# KiCad board Plume.kicad_pcb
title: ${BOARD_NAME} ${DOC_TYPE} Document; date: 2025-06-04; rev: 1.1; company: ${COMPANY}; note: L8 - Page 13/13
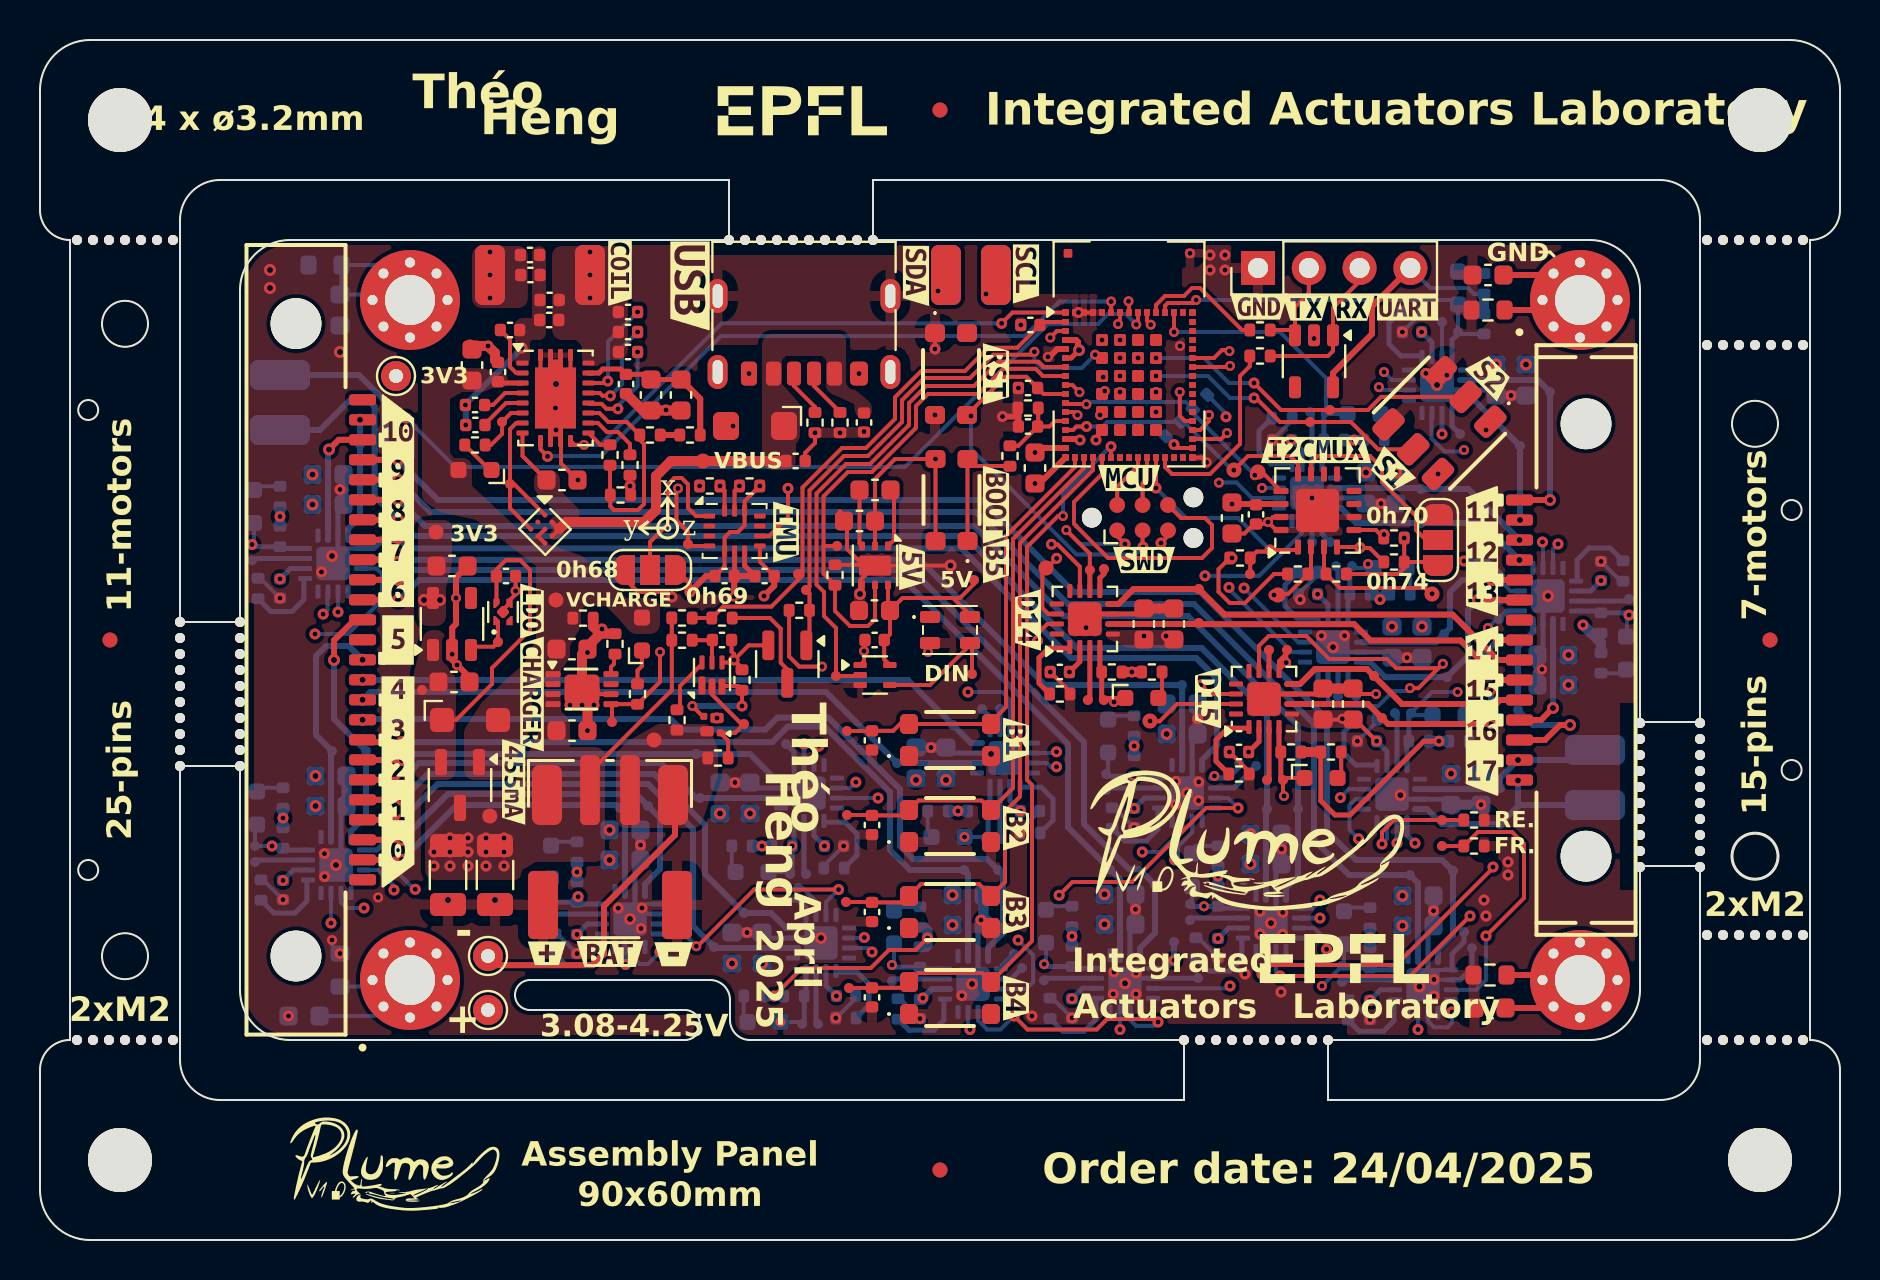
[diagram p0: board, top side]
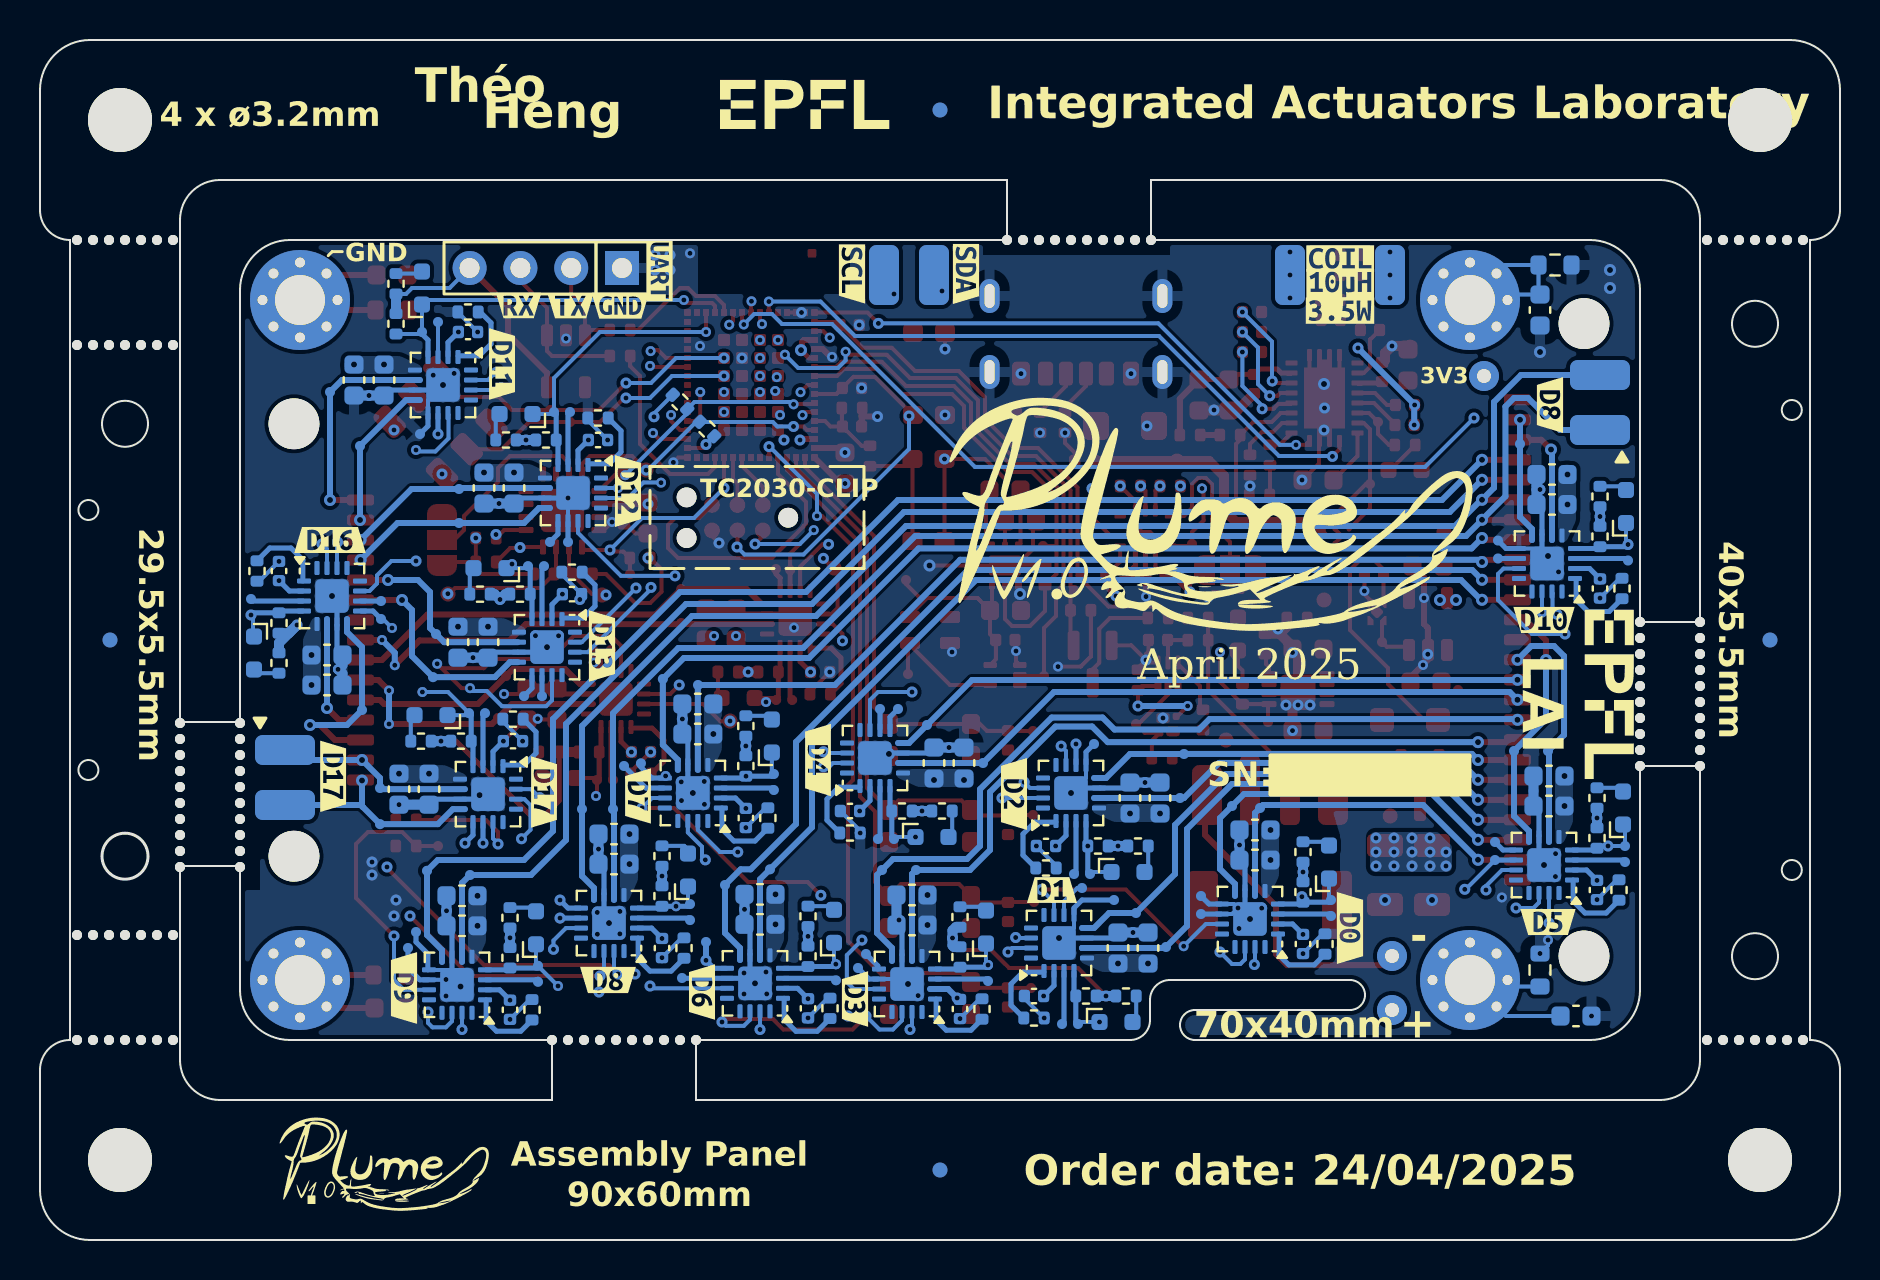
[diagram p1: board, bottom side, seen from below]

Outline 90 x 60 mm; copper layers: L1 (Sig, PWR), L2 (GND) (plane), L3 (Sig, PWR), L4 (PWR) (plane), L5 (GND) (plane), L6 (Sig,PWR), L7 (GNG), L8 (Sig, PWR). Coordinates in mm from the lower left corner of the outline.
Outline path: circle c2.41,41.5 r0.5 ; circle c2.41,18.5 r0.5 ; circle c4.25,45.81 r1.15 ; circle c4.25,14.19 r1.15 ; circle c85.75,40.81 r1.15 ; circle c85.75,19.19 r1.15 ; circle c87.58,36.5 r0.5 ; circle c87.58,23.5 r0.5 ; 0,57.5 0,51.5 arc(0.44,50.44) 1.5,50 1.5,10 arc(0.44,9.56) 0,8.5 0,2.5 arc(0.73,0.73) 2.5,0 87.5,0 arc(89.27,0.73) 90,2.5 90,8.5 arc(89.56,9.56) 88.5,10 88.5,50 arc(89.56,50.44) 90,51.5 90,57.5 arc(89.27,59.27) 87.5,60 2.5,60 arc(0.73,59.27) 0,57.5 ; 7,51 arc(7.59,52.41) 9,53 34.45,53 34.45,50 12.5,50 arc(10.73,49.27) 10,47.5 10,30.9 7,30.9 7,51 ; 7,23.7 10,23.7 10,12.5 arc(10.73,10.73) 12.5,10 32.25,10 arc(33,10.75) 32.25,11.5 24.5,11.5 arc(23.75,12.25) 24.5,13 33.5,13 arc(34.21,12.71) 34.5,12 34.5,11 arc(34.79,10.29) 35.5,10 57.2,10 57.2,7 9,7 arc(7.59,7.59) 7,9 7,23.7 ; 41.65,53 41.65,50 77.5,50 arc(79.27,49.27) 80,47.5 80,25.9 83,25.9 83,51 arc(82.41,52.41) 81,53 41.65,53 ; 64.4,7 64.4,10 77.5,10 arc(79.27,10.73) 80,12.5 80,18.7 83,18.7 83,9 arc(82.41,7.59) 81,7 64.4,7
Stack: L1 (Sig, PWR) 0.035mm / dielectric 0.109mm FR4_7628 er 4.29 / L2 (GND) 0.03mm / dielectric 0.25mm FR4 er 4.6 / L3 (Sig, PWR) 0.03mm / dielectric 0.109mm 2116 RC54% er 1 / dielectric 0.109mm 2116 RC54% er 1 / L4 (PWR) 0.03mm / dielectric 0.25mm FR4 er 4.5 / L5 (GND) 0.03mm / dielectric 0.109mm 2116 RC54% er 1 / dielectric 0.109mm 2116 RC54% er 1 / L6 (Sig,PWR) 0.03mm / dielectric 0.25mm FR4 er 4.5 / L7 (GNG) 0.03mm / dielectric 0.109mm FR4 er 4.5 / L8 (Sig, PWR) 0.035mm

## Placement (name value [footprint] x y rotation side)
C401  100n X7R 16V  [C_0402_1005Metric]  49.4 40.67 180 top
C402  100n X7R 16V  [C_0402_1005Metric]  49.4 42.6 180 top
C403  4u7 X7R 16V  [C_0603_1608Metric]  49.75 38.6 90 top
C407  100n X7R 16V  [C_0402_1005Metric]  41.6 24.98 270 top
C408  100n X7R 16V  [C_0402_1005Metric]  41.6 20.75 270 top
C409  100n X7R 16V  [C_0402_1005Metric]  41.6 16.4 270 top
C410  100n X7R 16V  [C_0402_1005Metric]  41.6 12.13 270 top
C501  47u X5R 16V  [C_1206_3216Metric]  22.75 18.25 270 top
C502  47u X5R 16V  [C_1206_3216Metric]  20.4 18.25 90 top
C503  4u7 X7R 16V  [C_0603_1608Metric]  26.6 25.47 180 top
C504  100n X7R 16V  [C_0402_1005Metric]  49.52 45.75 0 top
C505  100n X7R 16V  [C_0402_1005Metric]  34.1 30 180 top
C506  4u7 X7R 16V  [C_0603_1608Metric]  26.6 29.54 180 top
C601  100n X7R 16V  [C_0402_1005Metric]  22.9 43.4 90 top
C602  10u X5R 16V  [C_0603_1608Metric]  21.6 43.75 90 top
C603  1u X7R 16V  [C_0603_1608Metric]  26.1 38 0 top
C604  100n X7R 16V  [C_0402_1005Metric]  41.2 40.88 270 top
C605  100n X7R 16V  [C_0402_1005Metric]  37.78 38.95 0 top
C606  10n C0G 25V  [C_0402_1005Metric]  24.52 48.25 0 top
C607  470n X5R 25V  [C_0402_1005Metric]  21.75 41.75 180 top
C608  22n X7R 25V  [C_0402_1005Metric]  21.77 40.75 180 top
C609  10n C0G 25V  [C_0402_1005Metric]  23.5 45.5 0 top
C610  150n X7R 25V  [C_0402_1005Metric]  24.5 49.25 0 top
C611  2n2 X7R 25V  [C_0402_1005Metric]  25.48 47 0 top
C612  390pF X7R 25V  [C_0402_1005Metric]  25.46 46 0 top
C613  470n X5R 25V  [C_0402_1005Metric]  29.4 45.4 0 top
C614  22n X7R 25V  [C_0402_1005Metric]  29.4 44.4 0 top
C615  10n C0G 25V  [C_0402_1005Metric]  29.4 46.4 0 top
C616  100n X7R 16V  [C_0402_1005Metric]  29.3 42.8 270 top
C617  10u X5R 16V  [C_0603_1608Metric]  30.55 42.25 270 top
C618  10u X5R 16V  [C_0603_1608Metric]  32.05 42.25 270 top
C701  100n X7R 16V  [C_0402_1005Metric]  23.3 33.2 0 top
C702  10u X5R 16V  [C_0603_1608Metric]  20.7 27.9 0 top
C703  10u X5R 16V  [C_0603_1608Metric]  20.6 33.7 0 top
C801  100n X7R 16V  [C_0402_1005Metric]  60.8 36.28 270 top
C802  1u X7R 16V  [C_0603_1608Metric]  59.6 36.1 270 top
C901  220n X7R 16V  [C_0603_1608Metric]  41.75 37.5 180 top
C902  2u2 X7R 16V  [C_0603_1608Metric]  41.72 31.47 180 top
C903  100n X7R 16V  [C_0402_1005Metric]  41.73 30 180 top
C904  2u2 X7R 16V  [C_0603_1608Metric]  40.97 35.95 180 top
C1001  100n X7R 16V  [C_0402_1005Metric]  36.23 33.2 180 top
C1002  100n X7R 16V  [C_0402_1005Metric]  34.23 33.2 0 top
C1201  10u X5R 16V  [C_0603_1608Metric]  29.25 20.5 0 bottom
C1202  100n X7R 50V  [C_0603_1608Metric]  29.25 19 0 bottom
C1203  100n X7R 16V  [C_0402_1005Metric]  26.85 14.8 270 bottom
C1301  10u X5R 16V  [C_0603_1608Metric]  34.6 14.6 90 bottom
C1302  100n X7R 50V  [C_0603_1608Metric]  36.1 14.6 90 bottom
C1303  100n X7R 16V  [C_0402_1005Metric]  40.3 12.2 0 bottom
C1401  10u X5R 16V  [C_0603_1608Metric]  34 22.1 90 bottom
C1402  100n X7R 50V  [C_0603_1608Metric]  35.5 22.1 90 bottom
C1403  100n X7R 16V  [C_0402_1005Metric]  39.7 19.7 0 bottom
C1501  10u X5R 16V  [C_0603_1608Metric]  46.4 17.25 0 bottom
C1502  100n X7R 50V  [C_0603_1608Metric]  46.4 15.75 0 bottom
C1503  100n X7R 16V  [C_0402_1005Metric]  44 11.55 270 bottom
C1601  10u X5R 16V  [C_0603_1608Metric]  43.8 23.85 90 bottom
C1602  100n X7R 50V  [C_0603_1608Metric]  45.3 23.85 90 bottom
C1603  100n X7R 16V  [C_0402_1005Metric]  49.5 21.45 0 bottom
C1701  10u X5R 16V  [C_0603_1608Metric]  14.55 23.2 0 bottom
C1702  100n X7R 50V  [C_0603_1608Metric]  14.55 21.7 0 bottom
C1703  100n X7R 16V  [C_0402_1005Metric]  12.15 17.5 270 bottom
C1801  10u X5R 16V  [C_0603_1608Metric]  54 17.28 0 bottom
C1802  100n X7R 50V  [C_0603_1608Metric]  54 15.78 0 bottom
C1803  100n X7R 16V  [C_0402_1005Metric]  51.6 11.58 270 bottom
C1901  10u X5R 16V  [C_0603_1608Metric]  57.11 26.8 0 bottom
C1902  100n X7R 50V  [C_0603_1608Metric]  57.11 25.3 0 bottom
C1903  100n X7R 16V  [C_0402_1005Metric]  54.71 21.1 270 bottom
C2001  10u X5R 16V  [C_0603_1608Metric]  61.3 20.3 0 bottom
C2002  100n X7R 50V  [C_0603_1608Metric]  61.3 18.8 0 bottom
C2003  100n X7R 16V  [C_0402_1005Metric]  58.9 14.6 270 bottom
C2101  10u X5R 16V  [C_0603_1608Metric]  68.9 17.21 0 bottom
C2102  100n X7R 50V  [C_0603_1608Metric]  68.9 15.71 0 bottom
C2103  100n X7R 16V  [C_0402_1005Metric]  66.5 11.51 270 bottom
C2201  10u X5R 16V  [C_0603_1608Metric]  14.4 38.28 0 bottom
C2202  100n X7R 50V  [C_0603_1608Metric]  14.4 36.78 0 bottom
C2203  100n X7R 16V  [C_0402_1005Metric]  12 32.58 270 bottom
C2301  10u X5R 16V  [C_0603_1608Metric]  74.3 43 270 bottom
C2302  100n X7R 50V  [C_0603_1608Metric]  72.8 43 270 bottom
C2303  100n X7R 16V  [C_0402_1005Metric]  68.6 45.4 180 bottom
C2401  10u X5R 16V  [C_0603_1608Metric]  67.8 37.6 270 bottom
C2402  100n X7R 50V  [C_0603_1608Metric]  66.3 37.6 270 bottom
C2403  100n X7R 16V  [C_0402_1005Metric]  62.1 40 180 bottom
C2501  10u X5R 16V  [C_0603_1608Metric]  69.1 29.89 270 bottom
C2502  100n X7R 50V  [C_0603_1608Metric]  67.6 29.89 270 bottom
C2503  100n X7R 16V  [C_0402_1005Metric]  63.4 32.29 180 bottom
C2601  10u X5R 16V  [C_0603_1608Metric]  56.69 30.8 90 top
C2602  100n X7R 50V  [C_0603_1608Metric]  55.19 30.8 90 top
C2603  100n X7R 16V  [C_0402_1005Metric]  50.99 28.4 180 top
C2701  10u X5R 16V  [C_0603_1608Metric]  65.65 26.8 90 top
C2702  100n X7R 50V  [C_0603_1608Metric]  64.15 26.8 90 top
C2703  100n X7R 16V  [C_0402_1005Metric]  59.95 24.4 180 top
C2801  10u X5R 16V  [C_0603_1608Metric]  75.65 27.75 180 bottom
C2802  100n X7R 50V  [C_0603_1608Metric]  75.65 29.25 180 bottom
C2803  100n X7R 16V  [C_0402_1005Metric]  78.05 33.45 90 bottom
C2901  10u X5R 16V  [C_0603_1608Metric]  72.05 22.54 270 bottom
C2902  100n X7R 50V  [C_0603_1608Metric]  70.55 22.54 270 bottom
C2903  100n X7R 16V  [C_0402_1005Metric]  66.35 24.94 180 bottom
C3001  1n X7R 1kV  [C_0603_1608Metric]  15 46.5 270 bottom  (not fitted)
C3002  1n X7R 1kV  [C_0603_1608Metric]  72.4 48.25 180 top
C3003  1n X7R 1kV  [C_0603_1608Metric]  72.5 11.6 180 top  (not fitted)
C3004  1n X7R 1kV  [C_0603_1608Metric]  13.2 11.2 180 bottom  (not fitted)
D401  ESDS314  [SOT-23-5-TEXAS]  63.7 43.94 270 top
D601  TVS SMF5.0A  [D_SOD-123FL]  35.75 40.7 180 top
D701  Schottky 1N5819W  [Nexperia_CFP3_SOD-123W]  21.5 26 0 top
D901  IN-PI22TAT5R5G5B  [INPI22TAT5R5G5B]  45.5 30.5 180 top
FID3001  Fiducial  [Fiducial_0.75mm_Mask2.25mm]  45 56.5 0 top
FID3002  Fiducial  [Fiducial_0.75mm_Mask2.25mm]  45 3.5 0 top
FID3003  Fiducial  [Fiducial_0.75mm_Mask2.25mm]  45 56.5 0 bottom
FID3004  Fiducial  [Fiducial_0.75mm_Mask2.25mm]  86.5 30 0 bottom
FID3005  Fiducial  [Fiducial_0.75mm_Mask2.25mm]  86.5 30 0 top
FID3006  Fiducial  [Fiducial_0.75mm_Mask2.25mm]  3.5 30 0 top
FID3007  Fiducial  [Fiducial_0.75mm_Mask2.25mm]  45 3.5 0 bottom
FID3008  Fiducial  [Fiducial_0.75mm_Mask2.25mm]  3.5 30 0 bottom
H3001  M2.5 (2.7mm)  [MountingHole_2.5mm_Pad_Via]  18.5 47 0 top
H3002  M2.5 (2.7mm)  [MountingHole_2.5mm_Pad_Via]  77 47 0 top
H3003  M2.5 (2.7mm)  [MountingHole_2.5mm_Pad_Via]  77 13 0 top
H3004  M2.5 (2.7mm)  [MountingHole_2.5mm_Pad_Via]  18.5 13 0 top
H3005  MountingHole  [MountingHole_3.2mm_M3]  4 56 0 top
H3006  MountingHole  [MountingHole_3.2mm_M3]  86 56 0 top
H3007  MountingHole  [MountingHole_3.2mm_M3]  86 4 0 top
H3008  MountingHole  [MountingHole_3.2mm_M3]  4 4 0 top
IC901  SN74AHCT1G125DRLR  [SOT-553]  41.75 28.25 0 top
IC902  REG71050DRVR  [WSON-6-1EP_2x2mm_P0.65mm_EP1x1.6mm]  41.75 33.72 270 top
IC1201  DRV8214RTER  [WQFN-16-1EP_3x3mm_P0.5mm_EP1.68x1.68mm_ThermalVias]  29.5 16.05 0 bottom
IC1301  DRV8214RTER  [WQFN-16-1EP_3x3mm_P0.5mm_EP1.68x1.68mm_ThermalVias]  39.05 14.85 90 bottom
IC1401  DRV8214RTER  [WQFN-16-1EP_3x3mm_P0.5mm_EP1.68x1.68mm_ThermalVias]  38.45 22.35 90 bottom
IC1501  DRV8214RTER  [WQFN-16-1EP_3x3mm_P0.5mm_EP1.68x1.68mm_ThermalVias]  46.65 12.8 0 bottom
IC1601  DRV8214RTER  [WQFN-16-1EP_3x3mm_P0.5mm_EP1.68x1.68mm_ThermalVias]  48.25 24.1 90 bottom
IC1701  DRV8214RTER  [WQFN-16-1EP_3x3mm_P0.5mm_EP1.68x1.68mm_ThermalVias]  14.8 18.75 0 bottom
IC1801  DRV8214RTER  [WQFN-16-1EP_3x3mm_P0.5mm_EP1.68x1.68mm_ThermalVias]  54.25 12.83 0 bottom
IC1901  DRV8214RTER  [WQFN-16-1EP_3x3mm_P0.5mm_EP1.68x1.68mm_ThermalVias]  57.36 22.35 0 bottom
IC2001  DRV8214RTER  [WQFN-16-1EP_3x3mm_P0.5mm_EP1.68x1.68mm_ThermalVias]  61.55 15.85 0 bottom
IC2101  DRV8214RTER  [WQFN-16-1EP_3x3mm_P0.5mm_EP1.68x1.68mm_ThermalVias]  69.15 12.76 0 bottom
IC2201  DRV8214RTER  [WQFN-16-1EP_3x3mm_P0.5mm_EP1.68x1.68mm_ThermalVias]  14.65 33.83 0 bottom
IC2301  DRV8214RTER  [WQFN-16-1EP_3x3mm_P0.5mm_EP1.68x1.68mm_ThermalVias]  69.85 42.75 270 bottom
IC2401  DRV8214RTER  [WQFN-16-1EP_3x3mm_P0.5mm_EP1.68x1.68mm_ThermalVias]  63.35 37.35 270 bottom
IC2501  DRV8214RTER  [WQFN-16-1EP_3x3mm_P0.5mm_EP1.68x1.68mm_ThermalVias]  64.65 29.64 270 bottom
IC2601  DRV8214RTER  [WQFN-16-1EP_3x3mm_P0.5mm_EP1.68x1.68mm_ThermalVias]  52.24 31.05 90 top
IC2701  DRV8214RTER  [WQFN-16-1EP_3x3mm_P0.5mm_EP1.68x1.68mm_ThermalVias]  61.2 27.05 90 top
IC2801  DRV8214RTER  [WQFN-16-1EP_3x3mm_P0.5mm_EP1.68x1.68mm_ThermalVias]  75.4 32.2 180 bottom
IC2901  DRV8214RTER  [WQFN-16-1EP_3x3mm_P0.5mm_EP1.68x1.68mm_ThermalVias]  67.6 22.29 270 bottom
J401  Solder Holes 4x1 2.54mm 22AWG  [PinHeader_1x04_P2.54mm_Vertical]  60.9 48.6 90 top
J402  Conn_ARM_SWD_TagConnect_TC2030-NL  [Tag-Connect_TC2030-IDC-NL_2x03_P1.27mm_Vertical]  55.13 36.11 0 top
J403  Solder Wire Pad 1,5x3mm  [Connector_SolderWirePad_SMD_1,5x3mm]  45.3 48.25 0 top
J404  Solder Wire Pad 1,5x3mm  [Connector_SolderWirePad_SMD_1,5x3mm]  45.3 48.25 0 bottom
J405  Solder Wire Pad 1,5x3mm  [Connector_SolderWirePad_SMD_1,5x3mm]  47.8 48.25 0 bottom
J406  Solder Wire Pad 1,5x3mm  [Connector_SolderWirePad_SMD_1,5x3mm]  47.8 48.25 0 top
J501  Solder Wire Pad 1,5x3mm  [Connector_SolderWirePad_SMD_1,5x3mm]  25.35 22.25 0 top
J502  S2B-PH-SM4-TB  [CONN_S2B-PH-SM4-TB_JST]  28.5 19.54 0 top
J503  Solder Wire Pad 1,5x3mm  [Connector_SolderWirePad_SMD_1,5x3mm]  31.65 22.25 0 top
J601  Solder Wire Pad 1,5x3mm  [Connector_SolderWirePad_SMD_1,5x3mm]  22.5 48.25 0 top
J602  USB_C_Receptacle_PowerOnly_6P  [USB4125-GF-A]  38.2 46.4 180 top
J603  Solder Wire Pad 1,5x3mm  [Connector_SolderWirePad_SMD_1,5x3mm]  22.5 48.25 0 bottom
J604  Solder Wire Pad 1,5x3mm  [Connector_SolderWirePad_SMD_1,5x3mm]  27.5 48.25 0 bottom
J605  Solder Wire Pad 1,5x3mm  [Connector_SolderWirePad_SMD_1,5x3mm]  27.5 48.25 0 top
J1101  SEI-125-02-GF-S-M-AT  [SAMTEC_SEI-125-02-GF-S-M-AT]  12.8 30.01 90 top
J1102  Solder Wire Pad 1,5x3mm  [Connector_SolderWirePad_SMD_1,5x3mm]  12 43.25 90 bottom
J1103  Solder Wire Pad 1,5x3mm  [Connector_SolderWirePad_SMD_1,5x3mm]  12 40.5 90 bottom
J1104  SEI-115-02-GF-S-M-AT  [SAMTEC_SEI-115-02-GF-S-M-AT]  77.3 30 270 top
J1105  Solder Wire Pad 1,5x3mm  [Connector_SolderWirePad_SMD_1,5x3mm]  77.75 21.75 90 bottom
J1106  Solder Wire Pad 1,5x3mm  [Connector_SolderWirePad_SMD_1,5x3mm]  77.75 24.5 90 bottom
JP801  SolderJumper_3_Open  [SolderJumper-3_P1.3mm_Open_RoundedPad1.0x1.5mm_clean]  69.9 35 90 top
JP1001  SolderJumper_3_Open  [SolderJumper-3_P1.3mm_Open_RoundedPad1.0x1.5mm_clean]  30.5 33.5 0 top
kibuzzard-67FBF4BC  G***  [kibuzzard-67FBF4BC]  17.9 23.5 0 top
kibuzzard-67FBF56D  G***  [kibuzzard-67FBF56D]  72.1 26.5 0 top
kibuzzard-67FBF429  G***  [kibuzzard-67FBF429]  17.9 40.1 0 top
kibuzzard-67FBF564  G***  [kibuzzard-67FBF564]  72.1 34.4 0 top
kibuzzard-67FD2A58  G***  [kibuzzard-67FD2A58]  25.35 14.33 0 top
kibuzzard-67FD2AAD  G***  [kibuzzard-67FD2AAD]  49.4 31 270 top
kibuzzard-67FD2AC2  G***  [kibuzzard-67FD2AC2]  58.4 27.1 270 top
kibuzzard-67FD2B0D  G***  [kibuzzard-67FD2B0D]  43.6 33.65 270 top
kibuzzard-67FD2B35  G***  [kibuzzard-67FD2B35]  37.3 35.4 270 top
kibuzzard-67FD2B62  G***  [kibuzzard-67FD2B62]  63.8 39.5 0 top
kibuzzard-67FD2C0F  G***  [kibuzzard-67FD2C0F]  49.4 48.3 270 bottom
kibuzzard-67FD2C07  G***  [kibuzzard-67FD2C07]  43.7 48.3 270 bottom
kibuzzard-67FD2C7C  G***  [kibuzzard-67FD2C7C]  14.8 31 180 bottom
kibuzzard-67FD2CA8  G***  [kibuzzard-67FD2CA8]  14.6 15.9 180 bottom
kibuzzard-67FD2CD5  G***  [kibuzzard-67FD2CD5]  61.6 13 180 bottom
kibuzzard-67FD4A4D  G***  [kibuzzard-67FD4A4D]  51.1 24 270 bottom
kibuzzard-67FD4A6E  G***  [kibuzzard-67FD4A6E]  41.3 22.3 270 bottom
kibuzzard-67FD4ADF  G***  [kibuzzard-67FD4ADF]  39.4 17.5 180 bottom
kibuzzard-67FD4B4D  G***  [kibuzzard-67FD4B4D]  24.5 15.6 270 bottom
kibuzzard-67FD4BA6  G***  [kibuzzard-67FD4BA6]  71.8 12.6 270 bottom
kibuzzard-67FD4BFC  G***  [kibuzzard-67FD4BFC]  60.1 22.2 270 bottom
kibuzzard-67FD4C4E  G***  [kibuzzard-67FD4C4E]  56.9 12.4 270 bottom
kibuzzard-67FD4C83  G***  [kibuzzard-67FD4C83]  49.25 12.05 270 bottom
kibuzzard-67FD4E8D  G***  [kibuzzard-67FD4E8D]  65.6 46.6 0 top
kibuzzard-67FD4E8D#2  G***  [kibuzzard-67FD4E8D]  66.07 46.73 180 bottom
kibuzzard-67FD4E82  G***  [kibuzzard-67FD4E82]  63.3 46.6 0 top
kibuzzard-67FD4E82#2  G***  [kibuzzard-67FD4E82]  63.47 46.72 180 bottom
kibuzzard-67FD4ED6  G***  [kibuzzard-67FD4ED6]  68.38 46.62 0 top
kibuzzard-67FD4ED6#2  G***  [kibuzzard-67FD4ED6]  59.01 48.46 270 bottom
kibuzzard-67FD4F32  G***  [kibuzzard-67FD4F32]  60.95 46.67 0 top
kibuzzard-67FD4F32#2  G***  [kibuzzard-67FD4F32]  60.99 46.72 180 bottom
kibuzzard-67FD26D2  G***  [kibuzzard-67FD26D2]  32.5 47.7 270 top
kibuzzard-67FD29AC  G***  [kibuzzard-67FD29AC]  48.8 12.1 270 top
kibuzzard-67FD29EA  G***  [kibuzzard-67FD29EA]  72.5 43.2 315 top
kibuzzard-67FD29F6  G***  [kibuzzard-67FD29F6]  67.54 38.44 315 top
kibuzzard-67FD40A9  G***  [kibuzzard-67FD40A9]  31.68 14.29 0 top
kibuzzard-67FD49AB  G***  [kibuzzard-67FD49AB]  66.9 43.8 270 bottom
kibuzzard-67FD49C3  G***  [kibuzzard-67FD49C3]  61.9 29.7 270 bottom
kibuzzard-67FD49DC  G***  [kibuzzard-67FD49DC]  75.5 35 180 bottom
kibuzzard-67FD49F9  G***  [kibuzzard-67FD49F9]  75.34 23.18 270 bottom
kibuzzard-67FD49F9#2  G***  [kibuzzard-67FD49F9]  64.8 22.4 270 bottom
kibuzzard-67FD54FE  G***  [kibuzzard-67FD54FE]  54.45 38.1 0 top
kibuzzard-67FD279F  G***  [kibuzzard-67FD279F]  49.3 48.3 270 top
kibuzzard-67FD299D  G***  [kibuzzard-67FD299D]  48.8 16.4 270 top
kibuzzard-67FD555E  G***  [kibuzzard-67FD555E]  24.6 27.3 270 top
kibuzzard-67FD563C  G***  [kibuzzard-67FD563C]  29 48.35 270 top
kibuzzard-67FD2784  G***  [kibuzzard-67FD2784]  43.8 48.2 270 top
kibuzzard-67FD2926  G***  [kibuzzard-67FD2926]  47.8 36.78 270 top
kibuzzard-67FD2947  G***  [kibuzzard-67FD2947]  47.8 43.3 270 top
kibuzzard-67FD2980  G***  [kibuzzard-67FD2980]  48.8 25 270 top
kibuzzard-67FD2990  G***  [kibuzzard-67FD2990]  48.8 20.6 270 top
kibuzzard-67FD4094  G***  [kibuzzard-67FD4094]  28.5 14.3 0 top
kibuzzard-67FD4986  G***  [kibuzzard-67FD4986]  60.6 37.45 270 bottom
kibuzzard-67FD5353  G***  [kibuzzard-67FD5353]  24.99 49.08 180 bottom
kibuzzard-67FD5597  G***  [kibuzzard-67FD5597]  24.6 31.45 270 top
kibuzzard-6804C5B8  G***  [kibuzzard-6804C5B8]  17.9 35.4 0 top
kibuzzard-6804C593  G***  [kibuzzard-6804C593]  17.9 30 0 top
kibuzzard-6809FB86  G***  [kibuzzard-6809FB86]  24.99 47.78 180 bottom
kibuzzard-6809FBC0  G***  [kibuzzard-6809FBC0]  25 46.47 180 bottom
kibuzzard-68342E06  G***  [kibuzzard-68342E06]  14.5 41.75 270 bottom
kibuzzard-680671DA  G***  [kibuzzard-680671DA]  55.2 34 0 top
kibuzzard-6806100C  G***  [kibuzzard-6806100C]  47.8 33.95 270 top
kibuzzard-68021211  G***  [kibuzzard-68021211]  23.68 22.9 270 top
LED501  GREEN  [LED_0603_KingBright]  30.1 30.3 90 top
LED601  GREEN  [LED_0603_KingBright]  21.75 38.5 180 top
LED1201  BLUE  [LED_0603_KingBright]  25.55 18.9 90 bottom
LED1301  BLUE  [LED_0603_KingBright]  36.2 10.9 180 bottom
LED1401  BLUE  [LED_0603_KingBright]  35.6 18.4 180 bottom
LED1501  BLUE  [LED_0603_KingBright]  42.7 15.65 90 bottom
LED1601  BLUE  [LED_0603_KingBright]  45.4 20.15 180 bottom
LED1701  BLUE  [LED_0603_KingBright]  10.85 21.6 90 bottom
LED1801  BLUE  [LED_0603_KingBright]  50.3 15.68 90 bottom
LED1901  BLUE  [LED_0603_KingBright]  53.41 25.2 90 bottom
LED2001  BLUE  [LED_0603_KingBright]  57.6 18.5 90 bottom
LED2101  BLUE  [LED_0603_KingBright]  65.2 15.61 90 bottom
LED2201  BLUE  [LED_0603_KingBright]  10.7 36.68 90 bottom
LED2301  BLUE  [LED_0603_KingBright]  70.9 47.6 90 bottom
LED2401  BLUE  [LED_0603_KingBright]  66.2 41.3 0 bottom
LED2501  BLUE  [LED_0603_KingBright]  67.5 33.59 0 bottom
LED2601  BLUE  [LED_0603_KingBright]  55.09 27.1 0 top
LED2701  BLUE  [LED_0603_KingBright]  64.05 23.1 0 top
LED2801  BLUE  [LED_0603_KingBright]  79.3 29.35 270 bottom
LED2901  BLUE  [LED_0603_KingBright]  70.45 26.24 0 bottom